# Altium PCB UmTRXv2.PcbDoc (part 24 of 25)
Units mm, origin at the board's own origin, x right, y up, seen from the top; angles counter-clockwise.
Board outline 159.5 x 99.5 mm, 6 copper layers (Top Layer, GND, MidLayer1, Mid-Layer 2, InternalPlane2, Bottom Layer), stack 1.526 mm thick; 708 components, 578 nets, 2802 pads, 1408 vias.
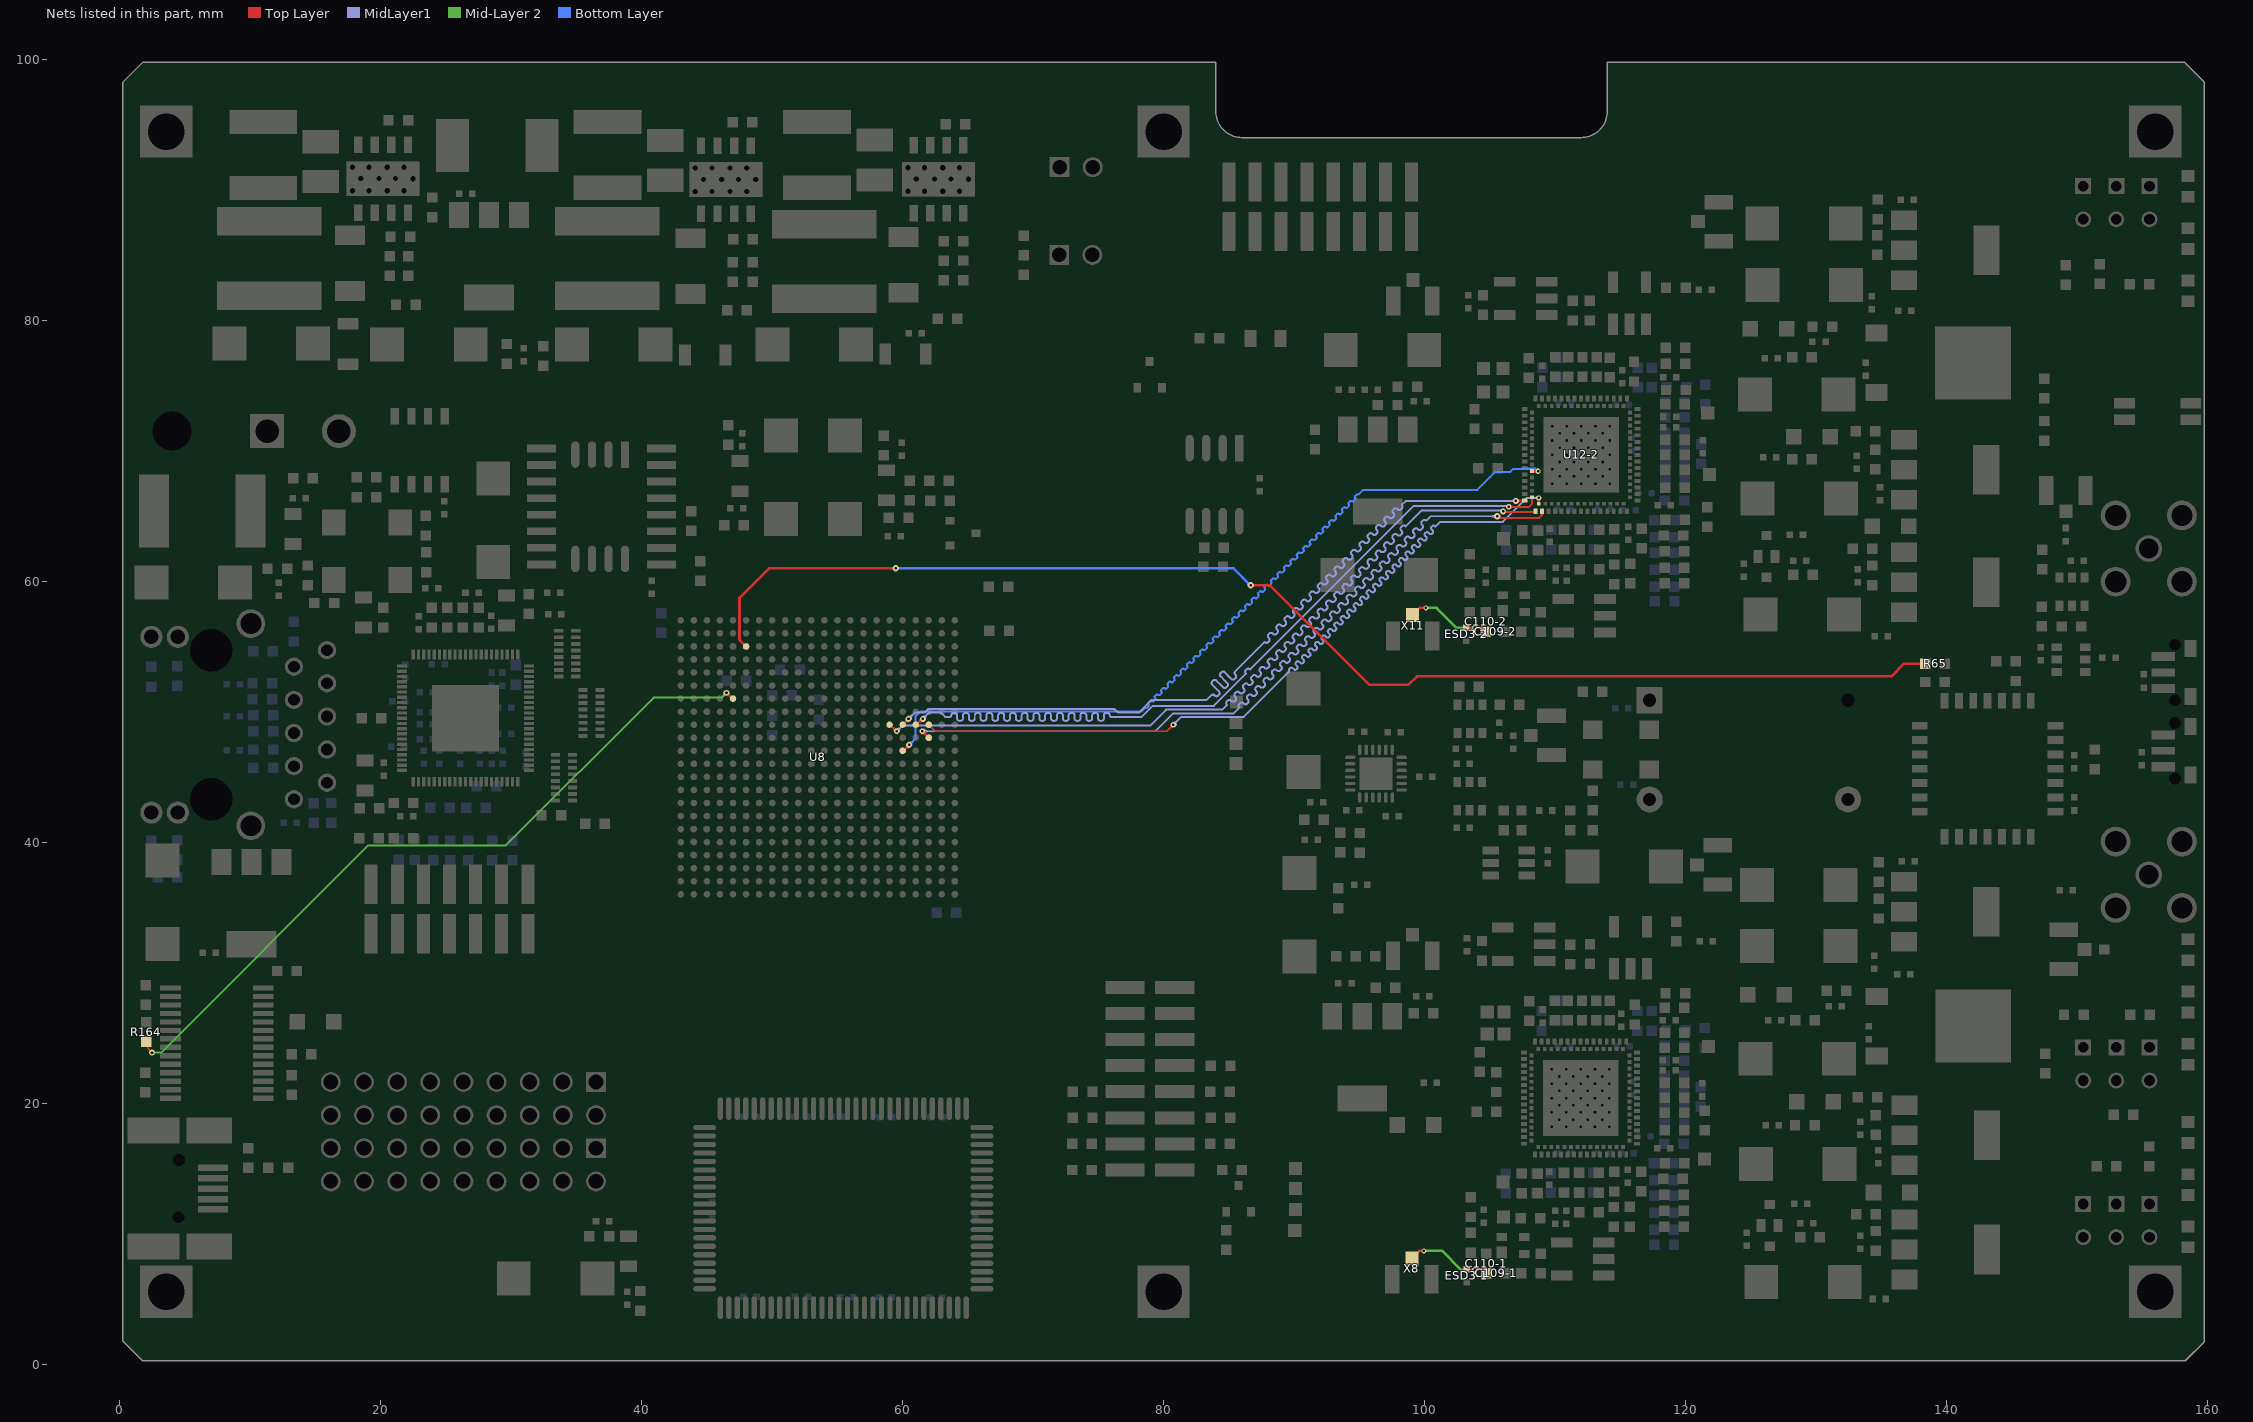
[diagram p28: the nets of this part, all layers, seen from the top]

## Via types
v1: diameter 0.5, hole 0.2, Top Layer to Bottom Layer, tented both sides, 441 vias
v2: diameter 0.45, hole 0.2, Top Layer to Bottom Layer, tented both sides, 429 vias
v3: diameter 0.7, hole 0.3, Top Layer to Bottom Layer, tented both sides, 258 vias
v4: diameter 0.4, hole 0.2, Top Layer to Bottom Layer, tented both sides, 197 vias
v5: diameter 0.8, hole 0.3, Top Layer to Bottom Layer, tented both sides, 61 vias
v6: diameter 0.6, hole 0.25, Top Layer to Bottom Layer, tented both sides, 16 vias
v7: diameter 0.6, hole 0.3, Top Layer to Bottom Layer, tented both sides, 4 vias
v8: diameter 1, hole 0.5, Top Layer to Bottom Layer, tented both sides, 2 vias

## Nets (pads, with @x,y where several pads share a name; then routed paths per layer and width w, separated by ;. In a path a pad name is that pad's centre, name@x,y a point inside that pad or via, vN(x,y) a via of type N, cw(c..) or ccw(c..) an arc to the next point about the centre after c; other vN are vias at no path point) (continued)
TX2D7: U8.P4 U12-2.28 | length 75.3
  Top Layer w0.15: U8.P4@61,49 61.5,49.5 v2(61.55,49.45) ; U8.P4@61.08,49.08 cw(c61.55,48.611) v2@61.55,49.275 ; 61.302,49.233 ccw(c61.205,49.595) v2(61.55,49.45) ; 61.322,49.322 ccw(c61.194,49.45) v2@61.375,49.45 ; v2@61.412,49.39 cw(c61.3,49.342) 61.394,49.263 cw(c61.488,49.184) v2@61.516,49.304 ; v2(106.45,65.7) 108.016,65.7 108.246,65.93 U12-2.28@108.246,66.43 ; v2(61.55,49.45) cw(c61.123,49.648) 61.245,49.193 ccw(c61.123,49.648) v2(61.55,49.45) ; v2@106.556,65.594 cw(c106.812,65.338) 106.812,65.7 ; v2@106.556,65.594 cw(c106.812,65.338) 106.812,65.7 ; v2@106.556,65.594 cw(c106.812,65.338) 106.812,65.7 ; v2@106.556,65.806 ccw(c106.812,66.062) 106.812,65.7 ; v2@106.556,65.806 ccw(c106.812,66.062) 106.812,65.7 ; v2@106.556,65.806 ccw(c106.812,66.062) 106.812,65.7 ; U8.P4@61.123,49.123 cw(c61.55,48.696) 61.55,49.3 ccw(c61.55,48.696) U8.P4@61.123,49.123
  MidLayer1 w0.15: v2@61.55,49.625 ccw(c61.55,50.047) 61.849,49.749 ccw(c62.147,49.45) v2@61.725,49.45 ; v2(61.55,49.45) 62.05,49.95 62.9,49.95 63.25,49.6 63.605,49.6 ccw(c63.605,49.72) 63.725,49.72 cw(c63.905,49.72) 63.905,49.9 63.995,49.9 cw(c63.995,49.72) 64.175,49.72 64.175,49.48 ccw(c64.355,49.48) 64.355,49.3 64.445,49.3 ccw(c64.445,49.48) 64.625,49.48 64.625,49.72 cw(c64.805,49.72) 64.805,49.9 64.895,49.9 cw(c64.895,49.72) 65.075,49.72 65.075,49.48 ccw(c65.255,49.48) 65.255,49.3 65.345,49.3 ccw(c65.345,49.48) 65.525,49.48 65.525,49.72 cw(c65.705,49.72) 65.705,49.9 65.795,49.9 cw(c65.795,49.72) 65.975,49.72 65.975,49.48 ccw(c66.155,49.48) 66.155,49.3 66.245,49.3 ccw(c66.245,49.48) 66.425,49.48 66.425,49.72 cw(c66.605,49.72) 66.605,49.9 66.695,49.9 cw(c66.695,49.72) 66.875,49.72 66.875,49.48 ccw(c67.055,49.48) 67.055,49.3 67.145,49.3 ccw(c67.145,49.48) 67.325,49.48 67.325,49.72 cw(c67.505,49.72) 67.505,49.9 67.595,49.9 cw(c67.595,49.72) 67.775,49.72 67.775,49.48 ccw(c67.955,49.48) 67.955,49.3 68.045,49.3 ccw(c68.045,49.48) 68.225,49.48 68.225,49.72 cw(c68.405,49.72) 68.405,49.9 68.495,49.9 cw(c68.495,49.72) 68.675,49.72 68.675,49.48 ccw(c68.855,49.48) 68.855,49.3 68.945,49.3 ccw(c68.945,49.48) 69.125,49.48 69.125,49.72 cw(c69.305,49.72) 69.305,49.9 69.395,49.9 cw(c69.395,49.72) 69.575,49.72 69.575,49.48 ccw(c69.755,49.48) 69.755,49.3 69.845,49.3 ccw(c69.845,49.48) 70.025,49.48 70.025,49.72 cw(c70.205,49.72) 70.205,49.9 70.295,49.9 cw(c70.295,49.72) 70.475,49.72 70.475,49.48 ccw(c70.655,49.48) 70.655,49.3 70.745,49.3 ccw(c70.745,49.48) 70.925,49.48 70.925,49.72 cw(c71.105,49.72) 71.105,49.9 71.195,49.9 cw(c71.195,49.72) 71.375,49.72 71.375,49.48 ccw(c71.555,49.48) 71.555,49.3 71.645,49.3 ccw(c71.645,49.48) 71.825,49.48 71.825,49.72 cw(c72.005,49.72) 72.005,49.9 72.095,49.9 cw(c72.095,49.72) 72.275,49.72 72.275,49.48 ccw(c72.455,49.48) 72.455,49.3 72.545,49.3 ccw(c72.545,49.48) 72.725,49.48 72.725,49.72 cw(c72.905,49.72) 72.905,49.9 72.995,49.9 cw(c72.995,49.72) 73.175,49.72 73.175,49.48 ccw(c73.355,49.48) 73.355,49.3 73.445,49.3 ccw(c73.445,49.48) 73.625,49.48 73.625,49.72 cw(c73.805,49.72) 73.805,49.9 73.895,49.9 cw(c73.895,49.72) 74.075,49.72 74.075,49.48 ccw(c74.255,49.48) 74.255,49.3 74.345,49.3 ccw(c74.345,49.48) 74.525,49.48 74.525,49.72 cw(c74.705,49.72) 74.705,49.9 74.795,49.9 cw(c74.795,49.72) 74.975,49.72 74.975,49.48 ccw(c75.155,49.48) 75.155,49.3 75.245,49.3 ccw(c75.245,49.48) 75.425,49.48 75.425,49.72 cw(c75.605,49.72) 75.605,49.9 75.695,49.9 cw(c75.695,49.72) 75.875,49.72 ccw(c75.995,49.72) 75.995,49.6 78.325,49.6 79.175,50.45 83.85,50.45 86.295,52.895 ccw(c86.281,52.909) 86.295,52.923 cw(c86.422,53.051) 86.295,53.178 86.359,53.241 cw(c86.486,53.114) 86.613,53.241 ccw(c86.627,53.256) 86.641,53.241 99.145,65.745 106.405,65.745 v2(106.45,65.7) ; v2(61.55,49.45) ccw(c61.459,49.78) 61.79,49.691 cw(c61.459,49.78) v2(61.55,49.45) ; v2(61.55,49.45) cw(c61.88,49.359) 61.791,49.69 ccw(c61.88,49.359) v2(61.55,49.45) ; 61.806,49.706 cw(c61.55,49.962) 61.55,49.6 ccw(c61.55,49.962) 61.806,49.706 ; 61.806,49.706 ccw(c62.062,49.45) 61.7,49.45 cw(c62.062,49.45) 61.806,49.706
TX2D8: U8.P5 U12-2.29 | length 77.7
  Top Layer w0.15: U8.P5@60,49 v2(60.45,49.45) ; 60.249,49.261 cw(c60.503,49.193) v2(60.45,49.45) ; 60.261,49.249 ccw(c60.193,49.503) v2(60.45,49.45) ; v2@60.275,49.45 cw(c59.853,49.45) 60.151,49.151 cw(c60.45,48.853) v2@60.45,49.275 ; v2(107,66.15) 107.03,66.18 U12-2.29@107.671,66.18 ; 60.194,49.194 cw(c60.45,48.938) 60.45,49.3 ccw(c60.45,48.938) 60.194,49.194 ; 60.194,49.194 ccw(c59.938,49.45) 60.3,49.45 cw(c59.938,49.45) 60.194,49.194 ; v2(60.45,49.45) ccw(c60.541,49.12) 60.21,49.209 cw(c60.541,49.12) v2(60.45,49.45) ; v2(60.45,49.45) cw(c60.12,49.541) 60.209,49.21 ccw(c60.12,49.541) v2(60.45,49.45) ; v2@107.106,66.044 cw(c107.434,65.716) 107.434,66.18 ; v2@107.106,66.044 cw(c107.434,65.716) 107.434,66.18 ; v2@107.106,66.044 cw(c107.434,65.716) 107.434,66.18 ; v2@107.106,66.256 ccw(c107.29,66.44) 107.29,66.18 ; v2@107.106,66.256 ccw(c107.29,66.44) 107.29,66.18 ; v2@107.106,66.256 ccw(c107.29,66.44) 107.29,66.18
  MidLayer1 w0.15: v2@60.45,49.625 ccw(c60.45,50.047) 60.749,49.749 ccw(c61.047,49.45) v2@60.625,49.45 ; v2(107,66.15) 106.991,66.141 98.541,66.141 98.255,65.855 ccw(c98.269,65.841) 98.255,65.827 cw(c98.128,65.699) 98.255,65.572 98.191,65.509 cw(c98.064,65.636) 97.937,65.509 97.923,65.523 97.909,65.537 ccw(c97.781,65.41) 97.654,65.537 97.59,65.473 ccw(c97.718,65.346) 97.59,65.219 97.605,65.205 97.619,65.19 cw(c97.491,65.063) 97.619,64.936 97.555,64.872 cw(c97.428,64.999) 97.3,64.872 97.286,64.886 97.272,64.9 ccw(c97.145,64.773) 97.018,64.9 96.954,64.837 ccw(c97.081,64.71) 96.954,64.582 96.968,64.568 96.982,64.554 cw(c96.855,64.427) 96.982,64.299 96.919,64.236 cw(c96.791,64.363) 96.664,64.236 96.65,64.25 96.636,64.264 ccw(c96.508,64.137) 96.381,64.264 96.318,64.2 ccw(c96.445,64.073) 96.318,63.946 96.332,63.932 96.346,63.918 cw(c96.219,63.79) 96.346,63.663 96.282,63.599 cw(c96.155,63.727) 96.028,63.599 96.014,63.614 95.999,63.628 ccw(c95.872,63.5) 95.745,63.628 95.681,63.564 ccw(c95.808,63.437) 95.681,63.309 95.695,63.295 95.709,63.281 cw(c95.582,63.154) 95.709,63.027 95.646,62.963 cw(c95.519,63.09) 95.391,62.963 95.377,62.977 95.363,62.991 ccw(c95.236,62.864) 95.108,62.991 95.045,62.928 ccw(c95.172,62.8) 95.045,62.673 95.059,62.659 95.073,62.645 cw(c94.946,62.518) 95.073,62.39 95.009,62.327 cw(c94.882,62.454) 94.755,62.327 94.741,62.341 94.727,62.355 ccw(c94.599,62.228) 94.472,62.355 94.408,62.291 ccw(c94.536,62.164) 94.408,62.037 94.423,62.023 94.437,62.008 cw(c94.309,61.881) 94.437,61.754 94.373,61.69 cw(c94.246,61.817) 94.118,61.69 94.104,61.704 94.09,61.718 ccw(c93.963,61.591) 93.836,61.718 93.772,61.655 ccw(c93.899,61.528) 93.772,61.4 93.786,61.386 93.8,61.372 cw(c93.673,61.245) 93.8,61.117 93.737,61.054 cw(c93.609,61.181) 93.482,61.054 93.468,61.068 93.454,61.082 ccw(c93.327,60.955) 93.199,61.082 93.136,61.018 ccw(c93.263,60.891) 93.136,60.764 93.15,60.75 93.164,60.736 cw(c93.037,60.608) 93.164,60.481 93.1,60.417 cw(c92.973,60.545) 92.846,60.417 92.832,60.432 92.817,60.446 ccw(c92.69,60.318) 92.563,60.446 92.499,60.382 ccw(c92.626,60.255) 92.499,60.127 92.513,60.113 92.527,60.099 cw(c92.4,59.972) 92.527,59.845 92.464,59.781 cw(c92.337,59.908) 92.209,59.781 92.195,59.795 92.181,59.809 ccw(c92.054,59.682) 91.926,59.809 91.863,59.746 ccw(c91.99,59.618) 91.863,59.491 91.877,59.477 91.891,59.463 cw(c91.764,59.336) 91.891,59.208 91.827,59.145 cw(c91.7,59.272) 91.573,59.145 91.559,59.159 91.545,59.173 ccw(c91.417,59.046) 91.29,59.173 91.226,59.109 ccw(c91.354,58.982) 91.226,58.855 91.241,58.841 91.255,58.826 cw(c91.127,58.699) 91.255,58.572 91.191,58.508 cw(c91.064,58.635) 90.937,58.508 90.922,58.522 90.908,58.537 ccw(c90.781,58.409) 90.654,58.537 90.59,58.473 ccw(c90.717,58.346) 90.59,58.218 90.604,58.204 90.618,58.19 cw(c90.491,58.063) 90.618,57.935 90.555,57.872 cw(c90.427,57.999) 90.3,57.872 90.286,57.886 90.272,57.9 ccw(c90.145,57.773) 90.017,57.9 89.954,57.836 ccw(c90.081,57.709) 89.954,57.582 89.968,57.568 89.982,57.554 cw(c89.855,57.426) 89.982,57.299 89.918,57.235 cw(c89.791,57.363) 89.664,57.235 89.65,57.25 89.635,57.264 ccw(c89.508,57.136) 89.381,57.264 89.317,57.2 ccw(c89.445,57.073) 89.317,56.946 89.346,56.917 cw(c89.218,56.79) 89.346,56.663 89.282,56.599 cw(c89.155,56.726) 89.027,56.599 89.013,56.613 88.999,56.627 ccw(c88.872,56.5) 88.744,56.627 88.681,56.564 ccw(c88.808,56.436) 88.681,56.309 88.695,56.295 88.709,56.281 cw(c88.582,56.154) 88.709,56.026 88.645,55.963 cw(c88.518,56.09) 88.391,55.963 88.377,55.977 88.363,55.991 ccw(c88.235,55.864) 88.108,55.991 88.044,55.927 ccw(c88.172,55.8) 88.044,55.673 88.059,55.659 88.073,55.644 cw(c87.945,55.517) 88.073,55.39 88.009,55.326 cw(c87.882,55.454) 87.755,55.326 ccw(c87.74,55.312) 87.726,55.326 85.496,53.096 ccw(c85.623,52.968) 85.496,52.841 85.514,52.822 cw(c85.387,52.695) 85.514,52.568 85.451,52.504 cw(c85.323,52.631) 85.196,52.504 85.05,52.65 84.682,53.018 ccw(c84.555,52.891) 84.428,53.018 84.364,52.954 ccw(c84.491,52.827) 84.364,52.7 84.732,52.332 84.878,52.186 cw(c84.751,52.059) 84.878,51.931 84.814,51.868 cw(c84.687,51.995) 84.56,51.868 84.414,52.014 84.046,52.381 ccw(c83.919,52.254) 83.791,52.381 83.728,52.318 ccw(c83.855,52.19) 83.728,52.063 84.095,51.695 84.241,51.55 cw(c84.114,51.422) 84.241,51.295 84.178,51.231 cw(c84.051,51.359) 83.923,51.231 83.905,51.25 ccw(c83.777,51.123) 83.65,51.25 83.3,50.9 79.1,50.9 78.15,49.95 76.504,49.95 76.254,50.2 61.947,50.2 61.697,49.95 60.95,49.95 v2(60.45,49.45) ; v2(60.45,49.45) ccw(c60.359,49.78) 60.69,49.691 cw(c60.359,49.78) v2(60.45,49.45) ; v2(60.45,49.45) cw(c60.78,49.359) 60.691,49.69 ccw(c60.78,49.359) v2(60.45,49.45) ; 60.706,49.706 cw(c60.45,49.962) 60.45,49.6 ccw(c60.45,49.962) 60.706,49.706 ; 60.706,49.706 ccw(c60.962,49.45) 60.6,49.45 cw(c60.962,49.45) 60.706,49.706 ; 106.616,66.141 ccw(c106.616,66.534) v2@106.894,66.256 ; 106.616,66.141 ccw(c106.616,66.534) v2@106.894,66.256 ; 106.616,66.141 ccw(c106.616,66.534) v2@106.894,66.256 ; 106.66,66.141 cw(c106.66,65.81) v2@106.894,66.044 ; 106.66,66.141 cw(c106.66,65.81) v2@106.894,66.044 ; 106.66,66.141 cw(c106.66,65.81) v2@106.894,66.044
TX2D9: U8.P6 U12-2.30 | length 74.1
  Top Layer w0.15: U8.P6@59,49 59.5,48.5 v2(59.55,48.5) ; U8.P6@59.166,48.834 ccw(c59.55,49.218) v2@59.55,48.675 ; 59.287,48.713 cw(c59.073,48.5) v2@59.375,48.5 ; 59.331,48.709 cw(c59.25,48.404) v2(59.55,48.5) ; v2(106.013,65.345) 106.059,65.3 108.441,65.3 U12-2.30@108.496,65.355 ; v2(59.55,48.5) ccw(c59.173,48.359) 59.277,48.748 cw(c59.173,48.359) v2(59.55,48.5) ; v2(59.55,48.5) cw(c59.597,48.784) 59.319,48.709 ccw(c59.597,48.784) v2(59.55,48.5) ; 59.209,48.791 ccw(c59.55,49.133) 59.55,48.65 cw(c59.55,49.133) 59.209,48.791 ; 59.329,48.671 cw(c59.159,48.5) 59.4,48.5 ccw(c59.159,48.5) 59.329,48.671
  MidLayer1 w0.15: v2@59.55,48.675 ccw(c59.55,49.097) 59.849,48.799 ccw(c60.147,48.5) v2@59.725,48.5 ; 59.995,48.945 v2(59.55,48.5) ; 59.995,48.95 79,48.95 80.2,50.15 84.5,50.15 84.845,50.495 ccw(c84.831,50.509) 84.845,50.523 cw(c84.972,50.651) 84.845,50.778 84.909,50.841 cw(c85.036,50.714) 85.163,50.841 85.177,50.827 85.191,50.813 ccw(c85.319,50.94) 85.446,50.813 85.51,50.877 ccw(c85.382,51.004) 85.51,51.131 85.495,51.145 85.481,51.16 cw(c85.609,51.287) 85.481,51.414 85.545,51.478 cw(c85.672,51.351) 85.8,51.478 85.814,51.464 85.828,51.45 ccw(c85.955,51.577) 86.082,51.45 86.146,51.513 ccw(c86.019,51.64) 86.146,51.768 86.132,51.782 86.118,51.796 cw(c86.245,51.923) 86.118,52.051 86.181,52.114 cw(c86.309,51.987) 86.436,52.114 86.45,52.1 86.464,52.086 ccw(c86.592,52.213) 86.719,52.086 86.782,52.15 ccw(c86.655,52.277) 86.782,52.404 86.768,52.418 86.754,52.432 cw(c86.881,52.56) 86.754,52.687 86.818,52.751 cw(c86.945,52.623) 87.072,52.751 87.086,52.736 87.101,52.722 ccw(c87.228,52.85) 87.355,52.722 87.419,52.786 ccw(c87.292,52.913) 87.419,53.041 87.405,53.055 87.391,53.069 cw(c87.518,53.196) 87.391,53.323 87.454,53.387 cw(c87.581,53.26) 87.709,53.387 87.723,53.373 87.737,53.359 ccw(c87.864,53.486) 87.992,53.359 88.055,53.422 ccw(c87.928,53.55) 88.055,53.677 88.041,53.691 88.027,53.705 cw(c88.154,53.832) 88.027,53.96 88.091,54.023 cw(c88.218,53.896) 88.345,54.023 88.359,54.009 88.373,53.995 ccw(c88.501,54.122) 88.628,53.995 88.692,54.059 ccw(c88.564,54.186) 88.692,54.313 88.677,54.327 88.663,54.342 cw(c88.791,54.469) 88.663,54.596 88.727,54.66 cw(c88.854,54.533) 88.982,54.66 88.996,54.646 89.01,54.632 ccw(c89.137,54.759) 89.264,54.632 89.328,54.695 ccw(c89.201,54.822) 89.328,54.95 89.314,54.964 89.3,54.978 cw(c89.427,55.105) 89.3,55.233 89.363,55.296 cw(c89.491,55.169) 89.618,55.296 89.632,55.282 89.646,55.268 ccw(c89.773,55.395) 89.901,55.268 89.964,55.332 ccw(c89.837,55.459) 89.964,55.586 89.95,55.6 89.936,55.614 cw(c90.063,55.742) 89.936,55.869 90,55.933 cw(c90.127,55.805) 90.254,55.933 90.268,55.918 90.283,55.904 ccw(c90.41,56.032) 90.537,55.904 90.601,55.968 ccw(c90.474,56.095) 90.601,56.223 90.587,56.237 90.573,56.251 cw(c90.7,56.378) 90.573,56.505 90.636,56.569 cw(c90.763,56.442) 90.891,56.569 90.905,56.555 90.919,56.541 ccw(c91.046,56.668) 91.174,56.541 91.237,56.604 ccw(c91.11,56.732) 91.237,56.859 91.223,56.873 91.209,56.887 cw(c91.336,57.014) 91.209,57.142 91.273,57.205 cw(c91.4,57.078) 91.527,57.205 91.541,57.191 91.555,57.177 ccw(c91.683,57.304) 91.81,57.177 91.874,57.241 ccw(c91.746,57.368) 91.874,57.495 91.859,57.509 91.845,57.524 cw(c91.973,57.651) 91.845,57.778 91.909,57.842 cw(c92.036,57.715) 92.163,57.842 92.178,57.828 92.192,57.813 ccw(c92.319,57.941) 92.446,57.813 92.51,57.877 ccw(c92.383,58.004) 92.51,58.132 92.496,58.146 92.482,58.16 cw(c92.609,58.287) 92.482,58.415 92.545,58.478 cw(c92.673,58.351) 92.8,58.478 92.814,58.464 92.828,58.45 ccw(c92.955,58.577) 93.083,58.45 93.146,58.514 ccw(c93.019,58.641) 93.146,58.768 93.132,58.782 93.118,58.796 cw(c93.245,58.924) 93.118,59.051 93.182,59.115 cw(c93.309,58.987) 93.436,59.115 93.45,59.1 93.465,59.086 ccw(c93.592,59.214) 93.719,59.086 93.783,59.15 ccw(c93.655,59.277) 93.783,59.404 93.754,59.433 cw(c93.882,59.56) 93.754,59.687 93.818,59.751 cw(c93.945,59.624) 94.073,59.751 94.087,59.737 94.101,59.723 ccw(c94.228,59.85) 94.356,59.723 94.419,59.786 ccw(c94.292,59.914) 94.419,60.041 94.405,60.055 94.391,60.069 cw(c94.518,60.196) 94.391,60.324 94.455,60.387 cw(c94.582,60.26) 94.709,60.387 94.723,60.373 94.737,60.359 ccw(c94.865,60.486) 94.992,60.359 95.056,60.423 ccw(c94.928,60.55) 95.056,60.677 95.041,60.691 95.027,60.706 cw(c95.155,60.833) 95.027,60.96 95.091,61.024 cw(c95.218,60.896) 95.345,61.024 95.36,61.01 95.374,60.995 ccw(c95.501,61.123) 95.628,60.995 95.692,61.059 ccw(c95.565,61.186) 95.692,61.314 95.678,61.328 95.664,61.342 cw(c95.791,61.469) 95.664,61.597 95.727,61.66 cw(c95.855,61.533) 95.982,61.66 96.01,61.632 ccw(c96.137,61.759) 96.265,61.632 96.328,61.696 ccw(c96.201,61.823) 96.328,61.95 96.314,61.964 96.3,61.978 cw(c96.427,62.106) 96.3,62.233 96.364,62.297 cw(c96.491,62.169) 96.618,62.297 96.632,62.282 96.647,62.268 ccw(c96.774,62.396) 96.901,62.268 96.965,62.332 ccw(c96.837,62.459) 96.965,62.586 96.951,62.601 96.936,62.615 cw(c97.064,62.742) 96.936,62.869 97,62.933 cw(c97.127,62.806) 97.255,62.933 97.269,62.919 97.283,62.905 ccw(c97.41,63.032) 97.538,62.905 97.601,62.968 ccw(c97.474,63.096) 97.601,63.223 97.587,63.237 97.573,63.251 cw(c97.7,63.378) 97.573,63.506 97.636,63.569 cw(c97.764,63.442) 97.891,63.569 97.905,63.555 97.919,63.541 ccw(c98.047,63.668) 98.174,63.541 98.238,63.605 ccw(c98.11,63.732) 98.238,63.859 98.209,63.888 cw(c98.337,64.015) 98.209,64.142 98.273,64.206 cw(c98.4,64.078) 98.527,64.206 ccw(c98.542,64.22) 98.556,64.206 99.748,65.398 105.96,65.398 v2(106.013,65.345) ; v2(59.55,48.5) ccw(c59.459,48.83) 59.79,48.741 cw(c59.459,48.83) v2(59.55,48.5) ; v2(59.55,48.5) cw(c59.88,48.409) 59.791,48.74 ccw(c59.88,48.409) v2(59.55,48.5) ; 59.806,48.756 cw(c59.55,49.012) 59.55,48.65 ccw(c59.55,49.012) 59.806,48.756 ; 59.806,48.756 ccw(c60.062,48.5) 59.7,48.5 cw(c60.062,48.5) 59.806,48.756
TX2D10: U8.P3 U12-2.31 | length 74.9
  Top Layer w0.15: U8.P3@62,49 62.5,48.5 80.25,48.5 v2(80.75,49) ; 80.494,48.744 cw(c80.75,48.488) v2@80.75,48.85 ; 80.494,48.744 ccw(c80.238,49) v2@80.6,49 ; 80.494,48.744 ccw(c80.238,49) v2@80.6,49 ; 80.494,48.744 cw(c80.75,48.488) v2@80.75,48.85 ; 80.494,48.744 ccw(c80.238,49) v2@80.6,49 ; 80.494,48.744 cw(c80.75,48.488) v2@80.75,48.85 ; 80.549,48.811 cw(c80.803,48.743) v2(80.75,49) ; 80.549,48.811 cw(c80.803,48.743) v2(80.75,49) ; 80.549,48.811 cw(c80.803,48.743) v2(80.75,49) ; 80.561,48.799 ccw(c80.493,49.053) v2(80.75,49) ; 80.561,48.799 ccw(c80.493,49.053) v2(80.75,49) ; 80.561,48.799 ccw(c80.493,49.053) v2(80.75,49)
  Top Layer w0.2: U12-2.31@108.746,65.93 v4@108.746,66.355 ; v4@108.675,66.309 cw(c108.505,66.138) 108.746,66.138 ; v4@108.675,66.309 cw(c108.505,66.138) 108.746,66.138 ; v4@108.675,66.309 cw(c108.505,66.138) 108.746,66.138 ; 108.746,66.138 cw(c108.987,66.138) v4@108.817,66.309 ; 108.746,66.138 cw(c108.987,66.138) v4@108.817,66.309 ; 108.746,66.138 cw(c108.987,66.138) v4@108.817,66.309
  MidLayer1 w0.15: v2(80.75,49) 81.35,49.6 86.15,49.6 89.6,53.05 89.6,53.15 89.602,53.152 ; 89.61,53.152 cw(c89.747,53.182) 89.648,53.281 89.697,53.33 cw(c89.796,53.231) 89.895,53.33 89.98,53.245 ccw(c90.079,53.344) 90.178,53.245 90.228,53.295 ccw(c90.129,53.394) 90.228,53.493 90.143,53.578 cw(c90.242,53.677) 90.143,53.776 90.192,53.825 cw(c90.291,53.726) 90.39,53.825 90.475,53.74 ccw(c90.574,53.839) 90.673,53.74 90.723,53.79 ccw(c90.624,53.889) 90.723,53.988 90.638,54.073 cw(c90.737,54.172) 90.638,54.271 90.687,54.32 cw(c90.786,54.221) 90.885,54.32 90.97,54.235 ccw(c91.069,54.334) 91.168,54.235 91.218,54.285 ccw(c91.119,54.384) 91.218,54.483 91.133,54.568 cw(c91.232,54.667) 91.133,54.766 91.182,54.815 cw(c91.281,54.716) 91.38,54.815 91.465,54.73 ccw(c91.564,54.829) 91.663,54.73 91.713,54.78 ccw(c91.614,54.879) 91.713,54.978 91.628,55.063 cw(c91.727,55.162) 91.628,55.261 91.677,55.31 cw(c91.776,55.211) 91.875,55.31 91.96,55.225 ccw(c92.059,55.324) 92.158,55.225 92.208,55.275 ccw(c92.109,55.374) 92.208,55.473 92.123,55.558 cw(c92.222,55.657) 92.123,55.756 92.172,55.805 cw(c92.271,55.706) 92.37,55.805 92.455,55.72 ccw(c92.554,55.819) 92.653,55.72 92.702,55.77 ccw(c92.603,55.869) 92.702,55.968 92.618,56.052 cw(c92.717,56.151) 92.618,56.25 92.667,56.3 cw(c92.766,56.201) 92.865,56.3 92.95,56.215 ccw(c93.049,56.314) 93.148,56.215 93.197,56.265 ccw(c93.098,56.364) 93.197,56.463 93.113,56.547 cw(c93.212,56.646) 93.113,56.745 93.162,56.795 cw(c93.261,56.696) 93.36,56.795 93.445,56.71 ccw(c93.544,56.809) 93.643,56.71 93.692,56.76 ccw(c93.593,56.859) 93.692,56.958 93.608,57.042 cw(c93.707,57.141) 93.608,57.24 93.657,57.29 cw(c93.756,57.191) 93.855,57.29 93.94,57.205 ccw(c94.039,57.304) 94.138,57.205 94.187,57.255 ccw(c94.088,57.354) 94.187,57.453 94.103,57.537 cw(c94.202,57.636) 94.103,57.735 94.152,57.785 cw(c94.251,57.686) 94.35,57.785 94.435,57.7 ccw(c94.534,57.799) 94.633,57.7 94.682,57.75 ccw(c94.583,57.849) 94.682,57.948 94.598,58.032 cw(c94.697,58.131) 94.598,58.23 94.647,58.28 cw(c94.746,58.181) 94.845,58.28 94.93,58.195 ccw(c95.029,58.294) 95.128,58.195 95.177,58.245 ccw(c95.078,58.344) 95.177,58.443 95.093,58.527 cw(c95.191,58.626) 95.093,58.725 95.142,58.775 cw(c95.241,58.676) 95.34,58.775 95.425,58.69 ccw(c95.524,58.789) 95.623,58.69 95.672,58.739 ccw(c95.573,58.838) 95.672,58.937 95.587,59.022 cw(c95.686,59.121) 95.587,59.22 95.637,59.27 cw(c95.736,59.171) 95.835,59.27 95.92,59.185 ccw(c96.019,59.284) 96.118,59.185 96.167,59.234 ccw(c96.068,59.333) 96.167,59.432 96.082,59.517 cw(c96.181,59.616) 96.082,59.715 96.132,59.765 cw(c96.231,59.666) 96.33,59.765 96.415,59.68 ccw(c96.514,59.779) 96.613,59.68 96.662,59.729 ccw(c96.563,59.828) 96.662,59.927 96.577,60.012 cw(c96.676,60.111) 96.577,60.21 96.627,60.26 cw(c96.726,60.161) 96.825,60.26 96.91,60.175 ccw(c97.009,60.274) 97.108,60.175 97.157,60.224 ccw(c97.058,60.323) 97.157,60.422 97.072,60.507 cw(c97.171,60.606) 97.072,60.705 97.122,60.755 cw(c97.221,60.656) 97.32,60.755 97.405,60.67 ccw(c97.504,60.769) 97.603,60.67 97.652,60.719 ccw(c97.553,60.818) 97.652,60.917 97.567,61.002 cw(c97.666,61.101) 97.567,61.2 97.617,61.25 cw(c97.716,61.151) 97.815,61.25 97.9,61.165 ccw(c97.999,61.264) 98.098,61.165 98.147,61.214 ccw(c98.048,61.313) 98.147,61.412 98.062,61.497 cw(c98.161,61.596) 98.062,61.695 98.112,61.745 cw(c98.211,61.646) 98.31,61.745 98.395,61.66 ccw(c98.494,61.759) 98.593,61.66 98.642,61.709 ccw(c98.543,61.808) 98.642,61.907 98.557,61.992 cw(c98.656,62.091) 98.557,62.19 98.607,62.24 cw(c98.706,62.141) 98.805,62.24 98.89,62.155 ccw(c98.989,62.254) 99.088,62.155 99.137,62.204 ccw(c99.038,62.303) 99.137,62.402 99.052,62.487 cw(c99.151,62.586) 99.052,62.685 99.102,62.735 cw(c99.201,62.636) 99.3,62.735 99.385,62.65 ccw(c99.484,62.749) 99.583,62.65 99.632,62.699 ccw(c99.533,62.798) 99.632,62.897 99.547,62.982 cw(c99.646,63.081) 99.547,63.18 99.597,63.23 cw(c99.696,63.131) 99.795,63.23 99.88,63.145 ccw(c99.979,63.244) 100.078,63.145 100.127,63.194 ccw(c100.028,63.293) 100.127,63.392 100.042,63.477 cw(c100.141,63.576) 100.042,63.675 100.092,63.725 cw(c100.191,63.626) 100.29,63.725 100.375,63.64 ccw(c100.474,63.739) 100.573,63.64 100.622,63.689 ccw(c100.523,63.788) 100.622,63.887 100.537,63.972 cw(c100.636,64.071) 100.537,64.17 100.587,64.22 cw(c100.686,64.121) 100.785,64.22 ccw(c100.827,64.262) 100.87,64.22 101.198,64.548 106,64.548 107.831,66.38 v4(108.746,66.38) ; v2@80.75,49.15 ccw(c80.75,49.512) 81.006,49.256 ; v2@80.75,49.15 ccw(c80.75,49.512) 81.006,49.256 ; v2@80.75,49.15 ccw(c80.75,49.512) 81.006,49.256 ; v2@80.9,49 cw(c81.262,49) 81.006,49.256 ; v2@80.9,49 cw(c81.262,49) 81.006,49.256 ; v2@80.9,49 cw(c81.262,49) 81.006,49.256 ; 108.444,66.38 cw(c108.444,66.078) v4@108.658,66.291 ; 108.444,66.38 ccw(c108.444,66.682) v4@108.658,66.468 ; 108.444,66.38 ccw(c108.444,66.682) v4@108.658,66.468 ; 108.444,66.38 cw(c108.444,66.078) v4@108.658,66.291 ; 108.444,66.38 ccw(c108.444,66.682) v4@108.658,66.468 ; 108.444,66.38 cw(c108.444,66.078) v4@108.658,66.291